# Altium PCB master.PcbDoc (part 4 of 5)
Units mm, origin at the board's own origin, x right, y up, seen from the top; angles counter-clockwise.
Board outline 160 x 120 mm, 4 copper layers (Top Copper, Signal Layer 1, Signal Layer 2, Bot Copper), stack 1.56 mm thick; 330 components, 331 nets, 1402 pads, 711 vias.
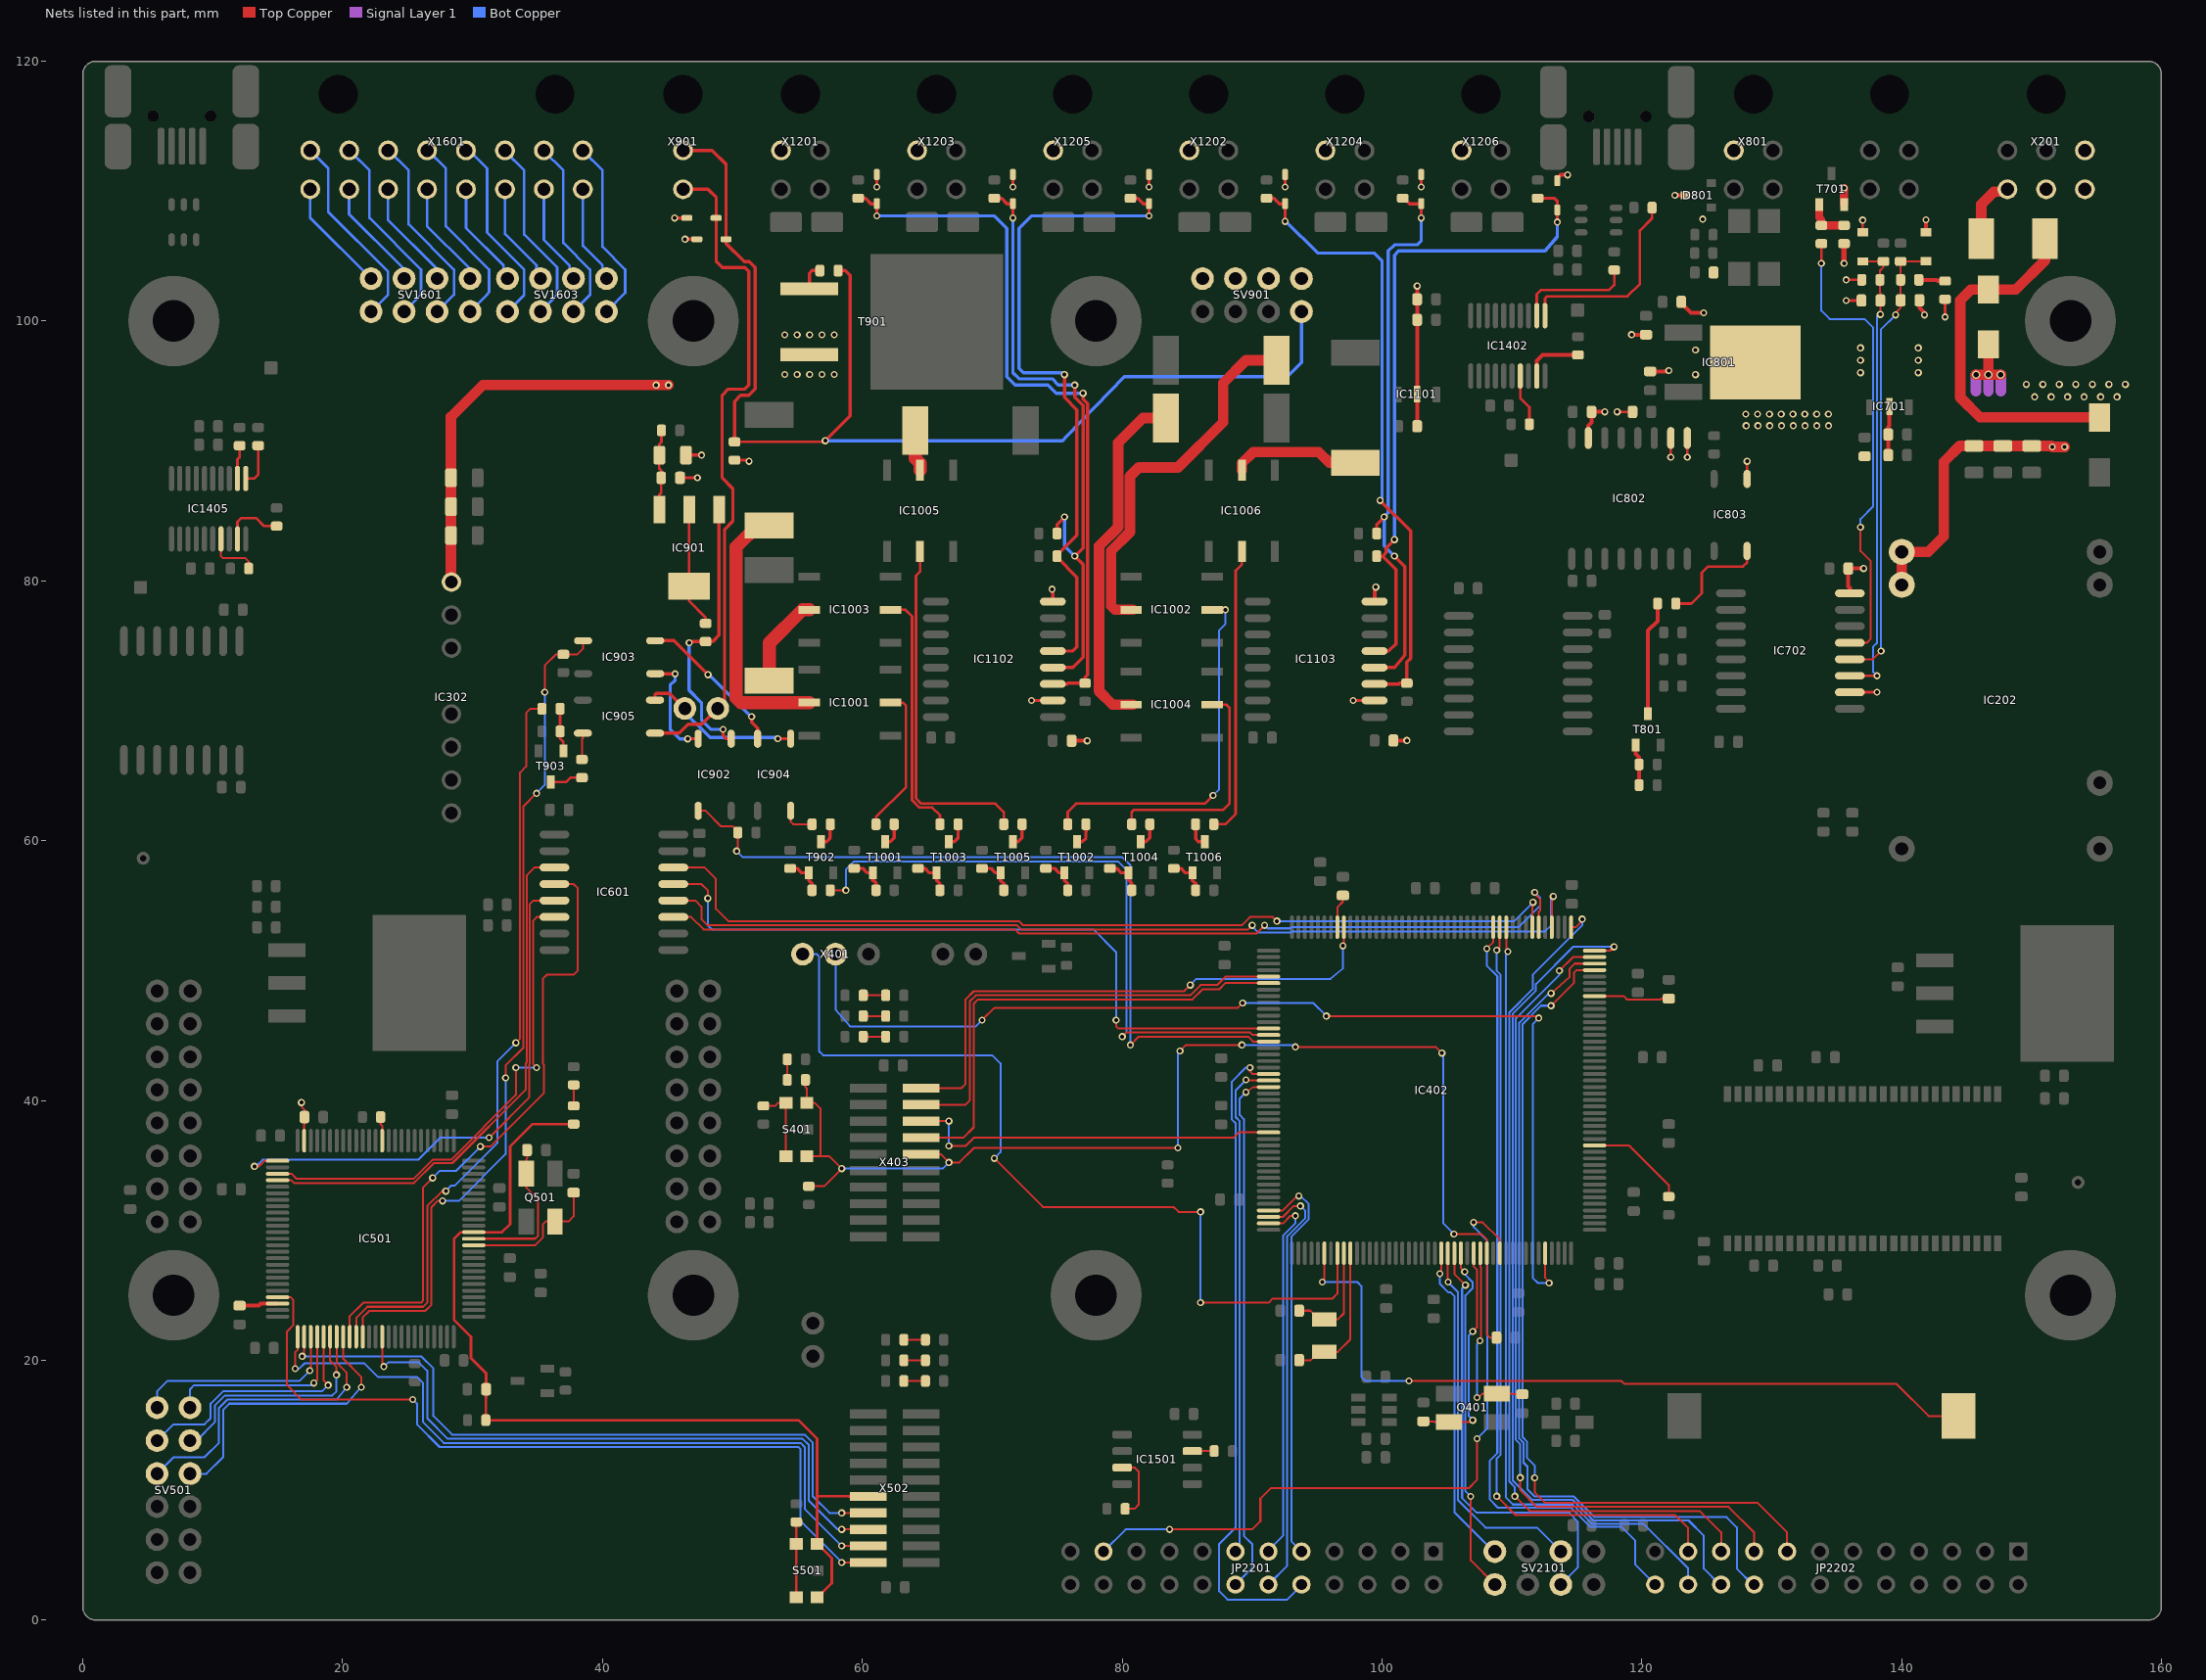
[diagram p6: the nets of this part, all layers, seen from the top]

## Via types
v1: diameter 0.55, hole 0.3, Top Copper to Bot Copper, tented both sides, 708 vias
v2: diameter 0.65, hole 0.4, Top Copper to Bot Copper, tented both sides, 3 vias

## Nets (pads, with @x,y where several pads share a name; then routed paths per layer and width w, separated by ;. In a path a pad name is that pad's centre, name@x,y a point inside that pad or via, vN(x,y) a via of type N, cw(c..) or ccw(c..) an arc to the next point about the centre after c; other vN are vias at no path point) (continued)
GND_EXT_0: C201.2 C203.2 C204.2 C302.2 C303.2 C304.2 C701.2 C702.2 C703.2 C704.2 C705.2 C706.2 C801.1 C802.1 C803.1 C804.2 C805.1 C806.1 C1101.2 C1102.2 C1103.2 C1104.2 C1105.2 D701.2 D702.2 D801.3 D1101.2 D1102.2 D1103.2 D1104.2 D1105.2 D1106.2 IC202.2 IC202.3 IC302.1 IC701.2 IC702.2 IC702.8 IC801.2 IC802.9 IC802.10 IC802.15 IC803.3 IC1101.2 IC1102.2 IC1102.8 IC1103.2 IC1103.8 R703.1 R705.1 R707.2 SV901.2 T201.2 T701.S X201.5 X801.1 X1201.1 X1202.1 X1203.1 X1204.1 X1205.1 X1206.1 | length 117.3
  Top Copper w0.203: v1(118.11,93.013) C805.1@119.29,93.013 C805.1@119.315,93.013 ; v1(122.237,89.52) IC802.10@122.237,90.995 IC802.10@122.237,91.095 ; v1(123.507,89.52) IC802.9@123.507,90.995 IC802.9@123.507,91.095 ; IC803.3@128.111,87.875 v1(128.111,89.203) ; v1(135.731,101.585) C704.2@136.786,101.585 ; v1(135.731,103.173) R703.1@136.786,103.173 ; IC702.2@135.973,71.423 IC702.2@136.02,71.423 v1(138.112,71.423) ; D701.2@137.001,106.85 v1(137.001,107.776) ; v1(143.351,100.315) R705.1@143.351,101.529
  Top Copper w0.254: v1(61.119,110.316) D1101.2@61.119,111.258 ; v1(71.596,110.316) D1103.2@71.596,111.258 ; v1(73.025,70.788) IC1102.2@74.668,70.788 IC1102.2@74.695,70.788 ; v1(74.612,79.36) 74.668,79.305 IC1102.8@74.668,78.408 ; v1(82.074,110.316) D1105.2@82.074,111.258 ; v1(92.551,110.316) D1102.2@92.551,111.258 ; v1(97.79,70.788) IC1103.2@99.433,70.788 IC1103.2@99.46,70.788 ; v1(103.029,110.316) D1104.2@103.029,111.258
  Top Copper w0.305: C1104.2@76.112,67.691 v1(77.311,67.691) ; IC1103.8@99.433,78.408 99.433,79.415 v1(99.536,79.519) ; C1105.2@100.883,67.708 v1(101.917,67.708) ; C1103.2@102.711,91.901 IC1101.2@102.711,94.379 C1102.2@102.711,100.101 C1101.2@102.711,101.676 v1(102.711,102.696) ; D1106.2@113.506,110.806 113.506,111.006 113.77,111.27 114.282,111.27 v1(114.3,111.252) ; IC802.15@115.887,90.995 115.887,91.947 116.136,92.195 C806.1@116.136,93.013 v1(117.157,93.013) ; v1(119.221,98.955) C802.1@120.332,98.955 ; C803.1@120.65,96.119 122.01,96.119 v1(122.079,96.188) ; v1(122.555,109.677) D801.3@123.358,109.677 ; C801.1@123.051,101.473 123.051,101.373 123.792,100.633 v1(124.777,100.633) ; IC702.8@136.02,79.043 136.02,79.444 135.901,79.563 C706.2@135.901,80.948 v1(137.081,80.948) ; C701.2@138.975,89.679 C702.2@138.975,91.266 138.975,91.843 139.065,91.933 IC701.2@139.065,93.426 ; C705.2@141.379,101.6 141.379,101.023 141.764,100.638 v1(141.764,100.474) ; D702.2@141.884,106.83 v1(141.884,107.798)
  Top Copper w0.406: v1(135.572,104.443) R707.2@135.572,105.815
  Top Copper w0.61: T701.S@135.57,108.958 135.57,110.234 v1(135.572,110.237)
  Top Copper w0.813: IC302.1@28.375,79.91 28.344,79.941 C302.2@28.344,83.488 C303.2@28.344,85.71 C304.2@28.344,87.933 28.344,92.623 30.797,95.076 v1(44.133,95.076) v1(45.085,95.076) ; IC202.3@140.017,79.62 IC202.3@140.017,79.69 IC202.2@140.017,82.16 ; IC202.2@140.017,82.23 142.047,82.23 143.256,83.439 143.256,89.154 144.488,90.386 C203.2@145.574,90.386 C204.2@147.796,90.386 C201.2@150.019,90.386 151.534,90.386 v1(151.606,90.314) v1(152.559,90.314) ; v2(145.732,95.87) v2(146.685,95.87) ; T201.2@146.685,98.315 T201.2@146.685,98.205 v2(146.685,95.87) ; v2(147.637,95.87) v2(146.685,95.87)
  Signal Layer 1 w0.813: 145.732,94.6 v2(145.732,95.87) ; 146.685,94.6 v2(146.685,95.87) ; 147.637,94.6 v2(147.637,95.87)
  other v1: 128.034,91.948 128.941,91.948 129.848,91.948 130.756,91.948 131.663,91.948 132.57,91.948 133.477,91.948 134.384,91.948 128.016,92.837 128.923,92.837 129.83,92.837 130.737,92.837 131.645,92.837 132.552,92.837 133.459,92.837 134.366,92.837 124.142,95.87 136.843,96.029 141.287,96.029 136.843,96.981 141.287,96.981 124.142,97.775 136.843,97.934 141.287,97.934 124.689,107.848
GND_EXT_2: C901.2 C902.2 D901.2 D902.2 R906.1 SV901.4 SV901.6 SV901.8 T901.3 X201.3 X201.6 | length 5.5
  Top Copper w0.203: C902.2@46.094,87.933 v1(47.307,87.933) ; D902.2@46.487,107.935 D902.2@46.514,107.908
  Top Copper w0.254: v1(45.561,107.935) D902.2@46.487,107.935 ; C901.2@46.352,89.679 C901.2@46.428,89.679 v1(47.625,89.679) ; v1(46.355,106.299) D901.2@47.262,106.299 ; R906.1@50.165,89.296 51.183,89.296 v1(51.276,89.203)
  Bot Copper w1.27: SV901.4@91.27,103.27 SV901.4@91.281,103.27
  other v1: 54.038,95.885 54.991,95.885 55.944,95.885 56.896,95.885 57.848,95.885 54.038,98.933 54.991,98.933 55.944,98.933 56.896,98.933 57.848,98.933
GPIO_MCU_1_0: IC501.83 SV501.7 | length 22.4
  Top Copper w0.152: IC501.83@20.042,21.604 20.042,20.106 21.431,18.718 v1(21.431,17.924)
  Bot Copper w0.152: SV501.7@8.255,11.27 8.269,11.256 9.525,11.256 10.795,12.526 10.795,16.178 11.271,16.654 20.32,16.654 v1(21.431,17.924)
GPIO_MCU_1_1: IC501.82 SV501.8 | length 23
  Top Copper w0.152: IC501.82@19.543,21.604 19.543,19.813 20.32,19.035 v1(20.32,17.924)
  Bot Copper w0.152: SV501.8@5.715,11.27 6.971,12.526 9.366,12.526 10.477,13.638 10.477,16.336 11.112,16.971 19.526,16.971 v1(20.32,17.924)
GPIO_MCU_1_2: IC501.81 SV501.9 | length 18
  Top Copper w0.152: IC501.81@19.042,21.804 19.042,19.953 19.526,19.47 v1(19.526,18.876)
  Bot Copper w0.152: SV501.9@8.255,13.81 8.745,13.81 10.16,15.225 10.16,16.495 10.954,17.289 19.209,17.289 19.526,17.606 v1(19.526,18.876)
GPIO_MCU_1_3: IC501.80 SV501.10 | length 19.3
  Top Copper w0.152: IC501.80@18.543,21.604 18.543,18.431 v1(18.891,18.083)
  Bot Copper w0.152: SV501.10@5.715,13.81 6.971,15.066 9.366,15.066 9.842,15.543 9.842,16.654 10.795,17.606 18.415,17.606 v1(18.891,18.083)
GPIO_MCU_1_4: IC501.79 SV501.11 | length 14.9
  Top Copper w0.152: 18.042,18.455 v1(17.78,18.241) 18.042,18.504 IC501.79@18.042,21.604
  Bot Copper w0.152: SV501.11@8.255,16.35 8.255,17.765 8.572,18.083 17.621,18.083 v1(17.78,18.241)
GPIO_MCU_1_5: IC501.78 SV501.12 | length 16.1
  Top Copper w0.152: v1(17.462,19.194) 17.543,19.274 IC501.78@17.543,21.604
  Bot Copper w0.152: SV501.12@5.715,16.35 5.715,17.606 6.509,18.4 16.669,18.4 v1(17.462,19.194)
HSE_1_MCU_0: C402.2 IC402.29 Q401.1 | length 17
  Top Copper w0.152: C402.2@103.188,15.294 103.988,15.294 104.046,15.236 Q401.1@105.148,15.236 106.85,15.236 v1(106.998,15.384) ; v1(106.998,22.21) 107.315,22.528 107.315,26.973 107.072,27.215 IC402.29@107.072,28.034
  Bot Copper w0.152: v1(106.998,15.384) 106.68,15.701 106.68,21.893 v1(106.998,22.21)
HSE_1_MCU_1: C501.2 IC501.12 Q501.1 | length 11
  Top Copper w0.152: IC501.12@30.093,28.854 34.823,28.854 35.433,29.464 35.433,30.471 35.641,30.679 Q501.1@36.343,30.679 37.384,30.679 37.782,31.077 C501.2@37.782,32.905
HSE_2_MCU_0: C414.1 IC402.30 Q401.3 | length 14.7
  Top Copper w0.152: v1(107.315,17.13) 107.44,17.13 107.746,17.436 Q401.3@108.847,17.436 109.949,17.436 110.007,17.379 C414.1@110.807,17.379 ; v1(107.553,21.496) 107.632,21.575 107.632,27.131 107.573,27.191 IC402.30@107.573,28.034
  Bot Copper w0.152: v1(107.315,17.13) 107.315,21.257 v1(107.553,21.496)
HSE_2_MCU_1: C505.1 IC501.13 Q501.3 | length 12
  Top Copper w0.152: IC501.13@30.093,29.354 34.815,29.354 35.052,29.591 35.052,32.368 34.142,33.277 Q501.3@34.142,34.379 34.142,35.48 34.2,35.538 C505.1@34.2,36.18
INTERLOCK_CONTROL_MCU_0: IC402.146 R909.2 | length 49
  Top Copper w0.152: R909.2@57.682,56.183 v1(58.737,56.183) ; v1(80.01,44.911) 80.328,45.229 89.852,45.229 90.048,45.034 IC402.146@91.072,45.034
  Bot Copper w0.152: v1(58.737,56.183) 58.737,57.77 59.372,58.405 79.692,58.405 80.328,57.77 80.328,45.229 v1(80.01,44.911)
INTERLOCK_CONTROL_MCU_1: IC501.85 R912.2 | length 57.7
  Top Copper w0.152: IC501.85@21.042,21.604 21.042,23.25 21.907,24.115 26.194,24.115 26.511,24.433 26.511,31.867 27.664,33.02 v1(27.94,33.02) ; v1(33.337,44.435) 33.655,44.753 33.655,65.231 34.131,65.708 34.131,69.835 34.449,70.153 R912.2@35.186,70.153
  Bot Copper w0.152: v1(27.94,33.02) 28.371,33.451 28.647,33.451 31.909,36.713 31.909,43.006 v1(33.337,44.435)
INTERLOCK_FEEDBACK_MCU_0: IC402.147 IC902.3 R903.2 | length 60.7
  Top Copper w0.152: IC902.3@47.371,62.298 47.938,62.298 49.138,61.098 50.047,61.098 50.418,60.728 R903.2@50.418,60.628 50.418,59.293 v1(50.324,59.199) ; v1(80.645,44.276) 81.28,44.911 89.694,44.911 90.071,44.534 IC402.147@91.072,44.534
  Bot Copper w0.152: v1(50.324,59.199) 50.8,58.723 80.01,58.723 80.645,58.088 v1(80.645,44.276)
INTERLOCK_FEEDBACK_MCU_1: IC501.86 IC903.3 R904.2 | length 65.2
  Top Copper w0.152: IC501.86@21.543,21.604 21.543,23.274 22.066,23.798 26.352,23.798 26.829,24.274 26.829,31.782 27.305,32.258 v1(27.686,32.258) ; v1(32.544,41.736) 32.544,42.689 33.909,44.054 33.909,62.628 v1(34.925,63.644) ; v1(35.56,71.423) 35.56,73.468 36.437,74.345 R904.2@36.989,74.345 38.064,74.345 38.511,74.792 IC903.3@38.511,75.393
  Bot Copper w0.152: v1(27.686,32.258) 28.939,32.258 32.544,35.863 v1(32.544,41.736) ; v1(34.925,63.644) 35.56,64.279 v1(35.56,71.423)
INTERLOCK_STATUS: D901.1 R905.1 R906.2 SV901.1 X901.1 | length 92.1
  Top Copper w0.152: X901.1@46.2,113.06 X901.1@46.2,113.14
  Top Copper w0.203: R906.2@50.165,90.696 57.056,90.696 v1(57.15,90.79) ; R906.2@50.165,90.846 R906.2@50.221,90.79
  Top Copper w0.254: X901.1@46.2,113.14 48.453,113.14 49.512,112.081 D901.1@49.512,106.299 49.512,105.972 50.913,104.572 51.306,104.572 51.752,104.125 51.752,94.759 51.276,94.283 50.641,94.283 50.165,93.806 R906.2@50.165,90.846 ; v1(57.15,90.79) 59.055,92.695 59.055,103.505 58.674,103.886 R905.1@58.137,103.886
  Bot Copper w0.203: SV901.1@93.81,100.73 SV901.1@93.821,100.719
  Bot Copper w0.254: v1(57.15,90.79) 75.406,90.79 75.724,91.108 80.169,95.711 92.71,95.711 93.821,96.823 SV901.1@93.821,100.719
ISO_GPIO_MCU_0_IN_0: IC402.100 JP2202.21 | length 61.9
  Top Copper w0.152: v1(108.839,9.525) 110.283,8.081 122.555,8.081 123.57,7.066 JP2202.21@123.57,5.27 ; v1(108.839,51.562) 109.072,51.795 IC402.100@109.072,53.534
  Bot Copper w0.152: v1(108.839,9.525) 108.839,12.446 109.139,12.746 109.139,49.679 108.839,49.979 v1(108.839,51.562)
ISO_GPIO_MCU_0_IN_1: IC402.101 JP2202.24 | length 61.6
  Top Copper w0.152: v1(108.07,51.689) 108.573,52.192 IC402.101@108.573,53.534
  Bot Copper w0.152: v1(108.07,51.689) 108.07,50.39 108.885,49.574 108.885,12.851 108.285,12.251 108.285,9.295 108.944,8.636 114.573,8.636 116.048,7.161 118.442,7.161 119.507,6.096 119.507,4.257 JP2202.24@121.032,2.732 JP2202.24@121.03,2.73
ISO_GPIO_MCU_0_IN_2: IC402.154 JP2201.14 | length 40.7
  Top Copper w0.152: v1(89.535,40.625) 90.102,41.034 IC402.154@91.072,41.034
  Bot Copper w0.152: JP2201.14@88.73,2.73 90.011,4.011 90.011,5.859 89.376,6.494 89.376,38.561 89.059,38.879 89.059,40.149 v1(89.535,40.625)
ISO_GPIO_MCU_0_IN_3: IC402.173 JP2201.9 | length 31.6
  Top Copper w0.152: IC402.173@91.072,31.534 92.367,31.534 93.472,32.639 v1(93.61,32.639)
  Bot Copper w0.152: v1(93.61,32.639) 93.748,32.639 94.361,32.026 94.361,30.846 93.027,29.513 93.027,6.053 JP2201.9@93.81,5.27
ISO_GPIO_MCU_0_OUT_0: IC402.152 JP2201.10 | length 50.5
  Top Copper w0.152: v1(89.852,42.53) 89.852,42.227 90.046,42.034 IC402.152@91.072,42.034
  Bot Copper w0.152: v1(89.852,42.53) 89.535,42.53 88.424,41.419 88.424,38.561 88.741,38.244 88.741,7.129 87.471,5.859 87.471,2.208 88.106,1.573 92.71,1.573 93.81,2.673 JP2201.10@93.81,2.729
ISO_GPIO_MCU_0_OUT_1: IC402.153 JP2201.13 | length 38.5
  Top Copper w0.152: v1@89.491,41.534 v1(89.535,41.578) 89.579,41.534 IC402.153@91.072,41.534
  Bot Copper w0.152: JP2201.13@88.73,5.27 89.059,5.599 89.059,38.403 88.741,38.72 88.741,40.784 v1(89.535,41.578)
ISO_GPIO_MCU_0_OUT_2: IC402.174 JP2201.12 | length 33.5
  Top Copper w0.152: IC402.174@91.072,31.034 92.375,31.034 93.218,31.877 v1(93.726,31.877)
  Bot Copper w0.152: JP2201.12@91.27,2.73 92.71,4.17 92.71,29.554 94.107,30.951 94.107,31.496 v1(93.726,31.877)
ISO_GPIO_MCU_0_OUT_3: IC402.175 JP2201.11 | length 29.2
  Top Copper w0.152: IC402.175@91.072,30.534 92.383,30.534 92.964,31.115 v1(93.345,31.115)
  Bot Copper w0.152: JP2201.11@91.27,5.27 91.281,5.281 91.281,5.383 92.392,6.494 92.392,29.596 93.345,30.548 v1(93.345,31.115)
ISONOC_0_CONTROL: IC402.85 JP2202.15 | length 66.6
  Top Copper w0.152: v1(111.76,10.939) 111.76,9.828 112.554,9.034 128.905,9.034 131.19,6.749 JP2202.15@131.19,5.27 ; v1(113.03,47.293) 114.776,49.039 114.776,49.833 114.977,50.034 IC402.85@116.573,50.034
  Bot Copper w0.152: v1(111.76,10.939) 111.76,11.891 111.157,12.495 111.157,13.746 110.825,14.078 110.825,45.871 112.246,47.293 v1(113.03,47.293)
ISONOC_1_CONTROL: IC402.86 JP2202.18 | length 66.7
  Top Copper w0.152: v1(113.03,48.245) 114.459,49.515 114.459,50.15 114.843,50.534 IC402.86@116.573,50.534
  Bot Copper w0.152: v1(113.03,48.245) 112.839,48.245 110.571,45.976 110.571,13.973 110.903,13.641 110.903,12.114 111.203,11.813 111.203,10.067 111.76,9.51 114.776,9.51 116.364,7.923 126.524,7.923 127.317,7.129 127.317,3.954 128.541,2.73 JP2202.18@128.65,2.73
ISONOC_2_CONTROL: IC402.87 JP2202.17 | length 65.7
  Top Copper w0.152: v1(110.649,10.954) 110.649,9.986 111.919,8.716 126.682,8.716 128.65,6.749 JP2202.17@128.65,5.27 ; v1(113.665,49.991) 114.707,51.034 IC402.87@116.573,51.034
  Bot Copper w0.152: v1(110.649,10.954) 110.649,13.535 110.317,13.868 110.317,46.325 113.665,49.674 v1(113.665,49.991)
ISONOC_3_CONTROL: IC402.88 JP2202.20 | length 68.6
  Top Copper w0.152: IC402.88@116.373,51.534 117.574,51.534 v1(117.856,51.816)
  Bot Copper w0.152: v1(117.856,51.816) 114.706,51.816 111.855,48.966 111.855,48.457 110.063,46.665 110.063,10.756 111.562,9.256 114.671,9.256 116.259,7.669 123.603,7.669 124.777,6.494 124.777,3.954 126.001,2.73 JP2202.20@126.11,2.73
ISONOC_4_CONTROL: IC402.89 JP2202.19 | length 66.6
  Top Copper w0.152: v1(110.236,9.525) 111.362,8.399 124.46,8.399 126.11,6.749 JP2202.19@126.11,5.27 ; IC402.89@114.572,53.334 114.929,53.334 115.411,53.816 v1(115.411,53.96)
  Bot Copper w0.152: v1(110.236,9.525) 110.236,10.223 109.809,10.651 109.809,46.77 111.601,48.563 111.601,49.674 115.411,53.484 v1(115.411,53.96)
ISONOC_5_CONTROL: IC402.99 JP2202.22 | length 61.5
  Top Copper w0.152: IC402.99@109.572,53.334 109.572,51.575 v1(109.689,51.458)
  Bot Copper w0.152: v1(109.689,51.458) 109.555,51.324 109.555,9.422 110.087,8.89 114.678,8.89 116.153,7.415 120.131,7.415 123.572,3.973 JP2202.22@123.572,2.732 JP2202.22@123.57,2.73
LSE_1_MCU_0: C428.2 IC402.9 Q402.2 | length 8.3
  Top Copper w0.152: C428.2@93.629,23.814 94.486,23.814 95.157,23.144 Q402.2@95.557,23.144 96.608,23.144 97.072,23.608 IC402.9@97.072,28.034
LSE_2_MCU_0: C429.1 IC402.10 Q402.1 | length 11
  Top Copper w0.152: C429.1@93.629,20.004 94.517,20.004 95.157,20.644 Q402.1@95.557,20.644 96.608,20.644 97.573,21.608 IC402.10@97.573,28.034
MCU_0_NRESET: C425.1 IC402.31 R404.1 R405.1 S401.3 S401.4 X403.10 | length 95.1
  Top Copper w0.152: R404.1@55.628,41.578 55.628,41.026 55.728,40.926 S401.4@55.728,39.818 56.329,39.818 56.769,39.378 56.769,35.717 ; S401.3@55.728,35.717 56.769,35.717 ; R405.1@55.88,33.388 57.056,33.388 v1(58.42,34.751) 57.454,35.717 56.769,35.717 ; X403.10@64.535,35.863 66.04,35.863 v1(66.675,35.228) 67.469,35.228 68.58,36.339 v1(84.296,36.339) ; v1(84.455,43.8) 84.931,44.276 v1(89.218,44.276) ; v1(93.345,44.118) 104.14,44.118 v1(104.616,43.641) ; v1(105.537,29.718) 107.658,29.718 108.072,29.304 108.072,21.997 108.336,21.734 C425.1@108.813,21.734
  Bot Copper w0.152: v1(58.42,34.751) 66.199,34.751 v1(66.675,35.228) ; v1(84.296,36.339) 84.296,43.641 v1(84.455,43.8) ; v1(89.218,44.276) 93.186,44.276 v1(93.345,44.118) ; v1(104.616,43.641) 104.729,43.529 104.729,30.526 v1(105.537,29.718)
MCU_0_RTC_ALARM_OUT: IC402.8 X401.3 | length 68.8
  Top Copper w0.152: v1(70.168,35.545) 73.912,31.801 83.955,31.801 84.338,31.418 v1(86.042,31.418) ; v1(86.042,24.433) 91.281,24.433 91.599,24.75 96.203,24.75 96.573,25.12 IC402.8@96.573,28.034
  Bot Copper w0.152: X401.3@55.404,51.261 56.514,51.261 56.674,51.102 56.674,43.8 56.991,43.483 70.009,43.483 70.644,42.848 70.644,36.021 v1(70.168,35.545) ; v1(86.042,24.433) v1(86.042,31.418)
MCU_0_RTC_WAKEUP_IN: IC402.40 X401.2 | length 84
  Top Copper w0.152: v1(69.215,46.181) 70.168,47.134 88.917,47.134 v1(89.281,47.498) ; v1(95.726,46.499) 111.919,46.499 v1(112.078,46.34) ; IC402.40@112.573,28.034 112.573,26.356 v1(112.871,25.941)
  Bot Copper w0.152: X401.2@57.944,51.261 57.944,46.975 59.055,45.705 68.739,45.705 v1(69.215,46.181) ; v1(89.281,47.498) 94.727,47.498 v1(95.726,46.499) ; v1(112.078,46.34) 111.601,45.864 111.601,26.338 111.998,25.941 v1(112.871,25.941)
MCU_0_SWCLK: IC402.137 X403.4 | length 35.1
  Top Copper w0.152: X403.4@64.535,39.673 67.945,39.673 68.263,39.99 68.263,47.61 68.739,48.086 85.249,48.086 86.042,48.88 87.312,48.88 87.966,49.534 IC402.137@91.072,49.534
MCU_0_SWDIO: IC402.124 X403.2 | length 43.6
  Top Copper w0.152: X403.2@64.535,40.943 67.627,40.943 67.945,41.26 67.945,47.769 68.58,48.404 84.772,48.404 v1(85.249,48.88) ; IC402.124@97.072,53.534 v1@97.072,51.979 ; v1@97.072,51.979 97.072,51.972 v1(96.996,51.896) v1@97.072,51.979
  Bot Copper w0.152: v1(85.249,48.88) 85.725,49.356 96.044,49.356 96.996,50.15 v1(96.996,51.896)
MCU_0_SWO: IC402.161 X403.6 | length 28.9
  Top Copper w0.152: X403.6@64.535,38.403 v1(66.675,38.403) ; v1(66.675,36.498) 67.945,36.498 68.58,37.133 88.582,37.133 88.984,37.534 IC402.161@91.072,37.534
  Bot Copper w0.152: v1(66.675,36.498) v1(66.675,38.403)
MCU_0_TDI: IC402.138 X403.8 | length 37.3
  Top Copper w0.152: X403.8@64.535,37.133 67.786,37.133 68.58,37.926 68.58,47.451 68.897,47.769 85.407,47.769 86.196,48.557 87.466,48.557 87.947,49.039 87.953,49.034 IC402.138@91.272,49.034
MCU_1_NRESET: C509.1 IC501.14 R503.1 R505.1 S501.3 S501.4 X502.10 | length 74.6
  Top Copper w0.203: R503.1@37.782,38.179 34.623,38.179 32.893,36.449 32.893,30.48 32.267,29.854 IC501.14@30.093,29.854 29.091,29.854 28.574,29.337 28.574,23.115 29.878,21.811 29.878,20.16 31.046,18.992 C509.1@31.046,17.765 31.046,17.188 31.021,17.163 R505.1@31.021,15.384 55.101,15.384 56.521,13.964 56.521,9.525 ; S501.3@56.521,1.745 56.571,1.745 57.658,2.832 57.658,4.758 56.571,5.845 S501.4@56.521,5.845 56.521,9.525 ; X502.10@60.465,9.51 58.963,9.51 58.948,9.525 56.521,9.525